# Altium PCB BeagleBone_Black_RevB4.PcbDoc (part 3 of 5)
Units mil, origin at the board's own origin, x right, y up, seen from the top; angles counter-clockwise.
Board outline 3401 x 2151 mil, 6 copper layers (TOP, LYR2_GND, LYR3, LYR4, LYR5_PWR, BOTTOM), stack 62 mil thick; 381 components, 310 nets, 1705 pads, 850 vias.
Unrouted connection lines stored in the file: 3.
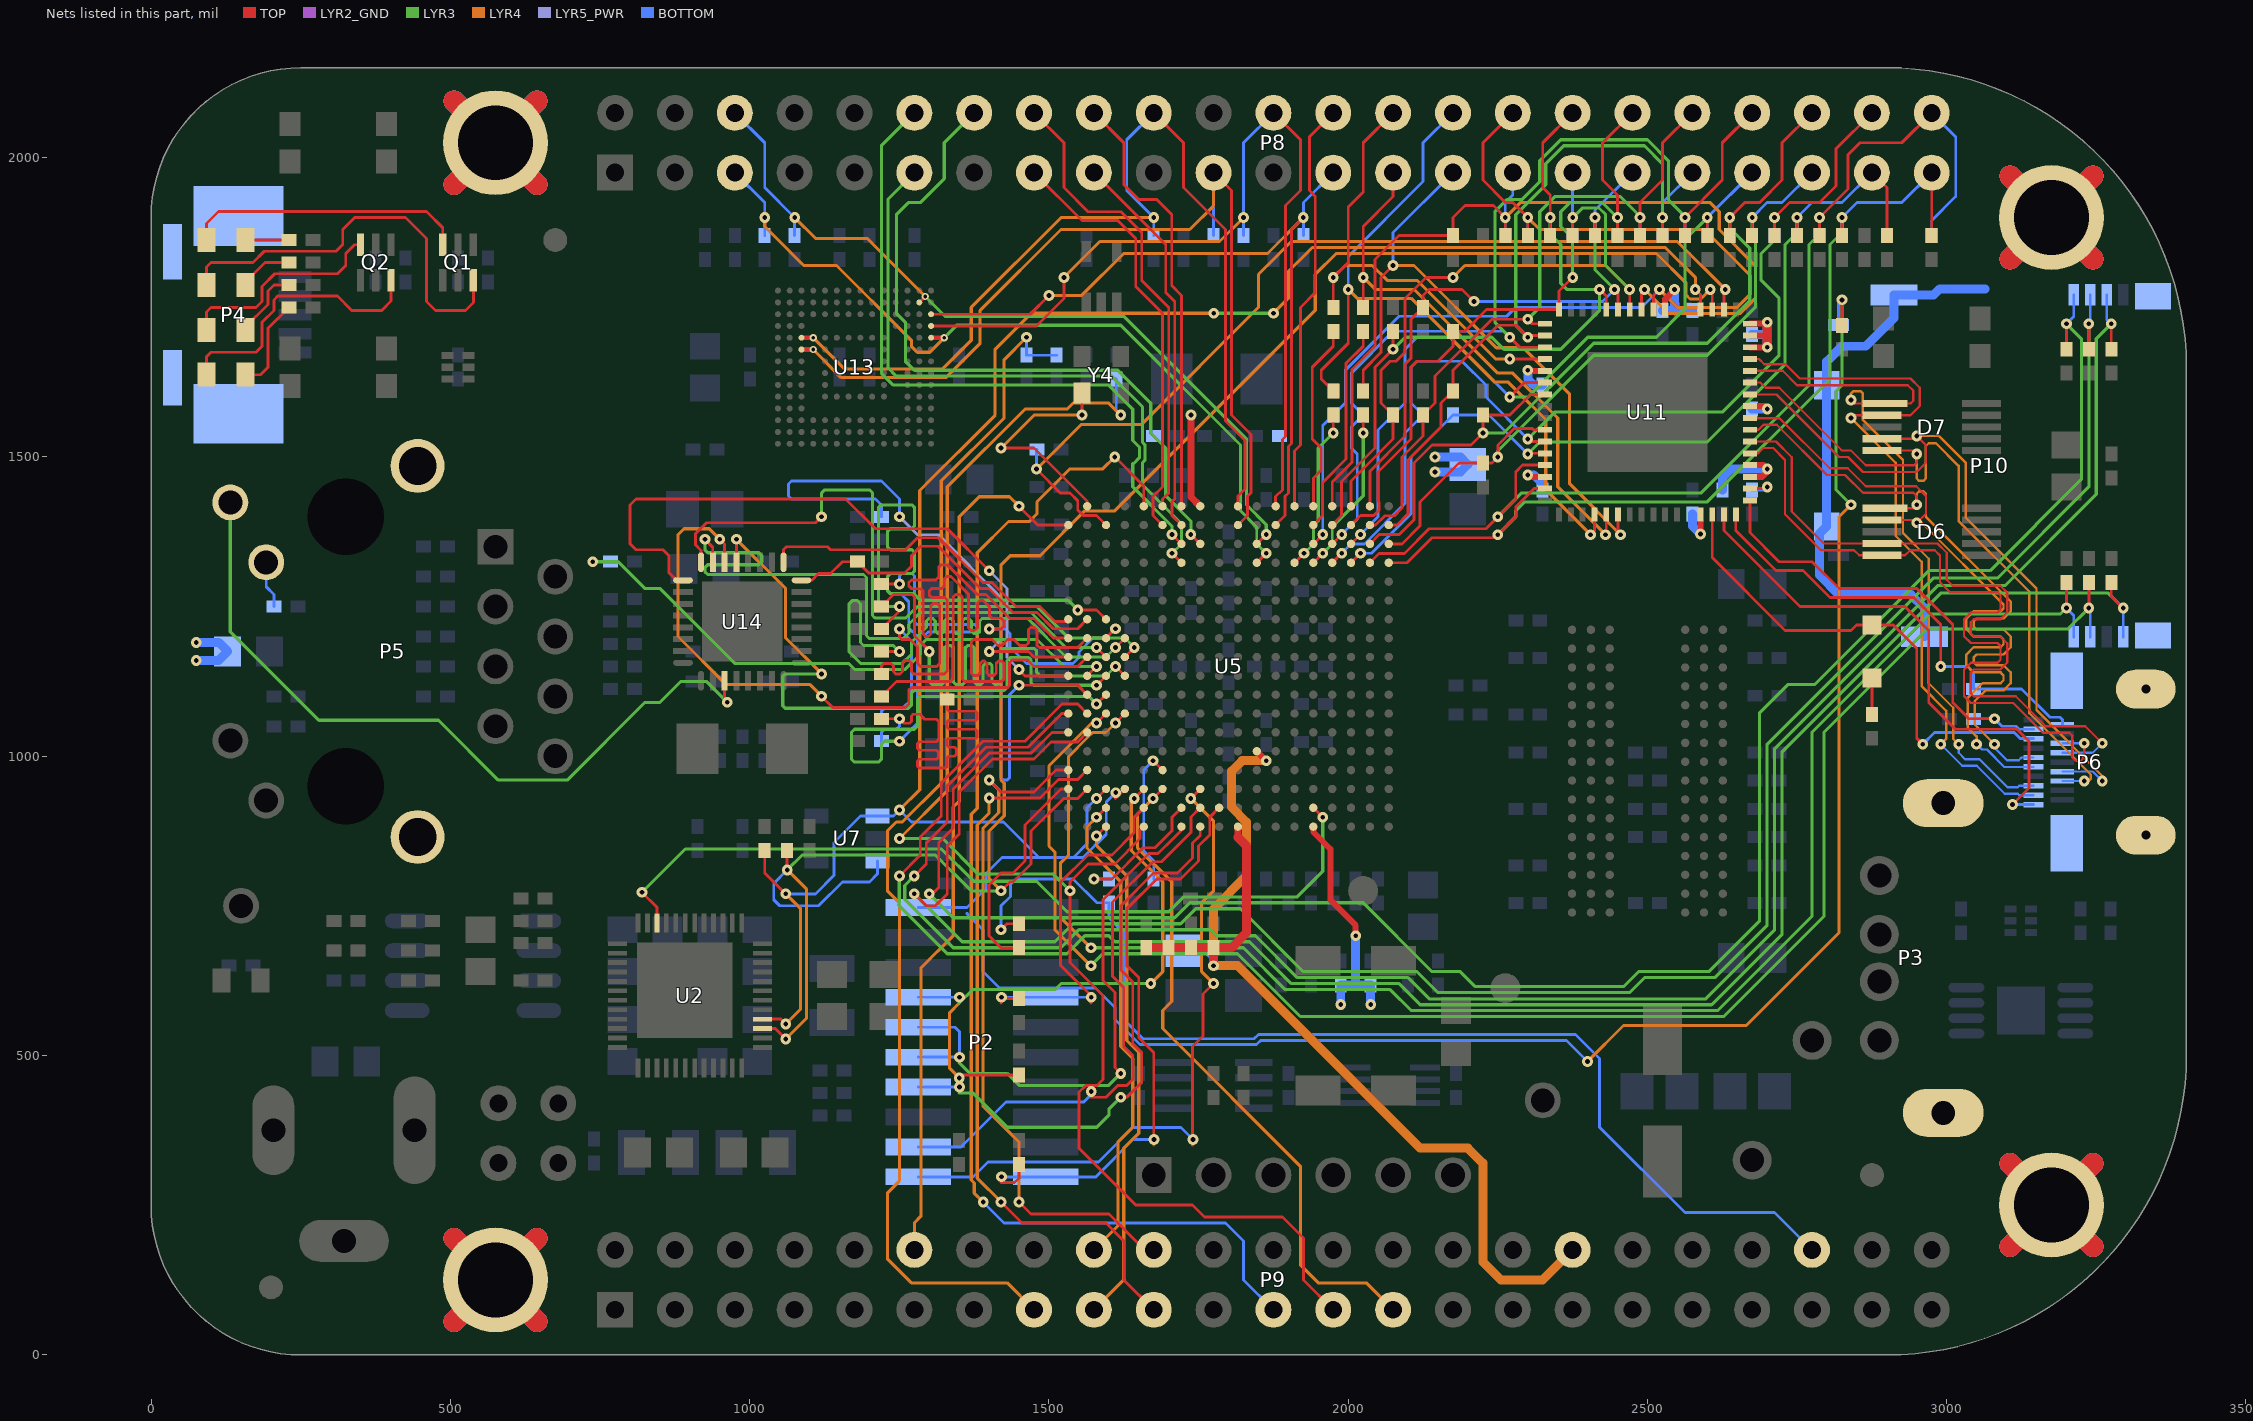
[diagram p7: the nets of this part, all layers, seen from the top]

## Via types
v1: diameter 18, hole 8, TOP to BOTTOM, tented both sides, 793 vias
v2: diameter 22, hole 12, TOP to BOTTOM, tented both sides, 30 vias
v3: diameter 12, hole 6, TOP to BOTTOM, tented both sides, 27 vias

## Nets (pads, with @x,y where several pads share a name; then routed paths per layer and width w, separated by ;. In a path a pad name is that pad's centre, name@x,y a point inside that pad or via, vN(x,y) a via of type N, cw(c..) or ccw(c..) an arc to the next point about the centre after c; other vN are vias at no path point) (continued)
GND_EARTH: MTG1.1 MTG2.1 MTG3.1 MTG4.1 P3.5 P3.6 P4.6 P4.7 P4.8 P4.9 P5.13 P5.14 P6.20 P6.21 P6.22 P6.23 P10.11 P10.12 P10.13 P10.14 P10.15 P10.16 R136.2 | length 7357.1
  TOP w35: 505.46,55.46 MTG1.1@575,125 ; 505.46,194.54 MTG1.1@575,125 ; 505.46,1955.46 MTG3.1@575,2025 ; 505.46,2094.54 MTG3.1@575,2025 ; 644.54,55.46 MTG1.1@575,125 ; 644.54,194.54 MTG1.1@575,125 ; 644.54,1955.46 MTG3.1@575,2025 ; 644.54,2094.54 MTG3.1@575,2025 ; 3105.46,180.46 MTG2.1@3175,250 ; 3105.46,319.54 MTG2.1@3175,250 ; 3105.46,1830.46 MTG4.1@3175,1900 ; 3105.46,1969.54 MTG4.1@3175,1900 ; 3244.54,180.46 MTG2.1@3175,250 ; 3244.54,319.54 MTG2.1@3175,250 ; 3244.54,1830.46 MTG4.1@3175,1900 ; 3244.54,1969.54 MTG4.1@3175,1900
  LYR2_GND w35: 505.46,55.46 MTG1.1@575,125 ; 505.46,194.54 MTG1.1@575,125 ; 505.46,1955.46 MTG3.1@575,2025 ; 505.46,2094.54 MTG3.1@575,2025 ; 644.54,55.46 MTG1.1@575,125 ; 644.54,194.54 MTG1.1@575,125 ; 644.54,1955.46 MTG3.1@575,2025 ; 644.54,2094.54 MTG3.1@575,2025 ; 3105.46,180.46 MTG2.1@3175,250 ; 3105.46,319.54 MTG2.1@3175,250 ; 3105.46,1830.46 MTG4.1@3175,1900 ; 3105.46,1969.54 MTG4.1@3175,1900 ; 3244.54,180.46 MTG2.1@3175,250 ; 3244.54,319.54 MTG2.1@3175,250 ; 3244.54,1830.46 MTG4.1@3175,1900 ; 3244.54,1969.54 MTG4.1@3175,1900
  LYR5_PWR w35: 505.46,55.46 MTG1.1@575,125 ; 505.46,194.54 MTG1.1@575,125 ; 505.46,1955.46 MTG3.1@575,2025 ; 505.46,2094.54 MTG3.1@575,2025 ; 644.54,55.46 MTG1.1@575,125 ; 644.54,194.54 MTG1.1@575,125 ; 644.54,1955.46 MTG3.1@575,2025 ; 644.54,2094.54 MTG3.1@575,2025 ; 3105.46,180.46 MTG2.1@3175,250 ; 3105.46,319.54 MTG2.1@3175,250 ; 3105.46,1830.46 MTG4.1@3175,1900 ; 3105.46,1969.54 MTG4.1@3175,1900 ; 3244.54,180.46 MTG2.1@3175,250 ; 3244.54,319.54 MTG2.1@3175,250 ; 3244.54,1830.46 MTG4.1@3175,1900 ; 3244.54,1969.54 MTG4.1@3175,1900
  BOTTOM w15: v1(75,1160) 112.5,1160 R136.2@127.5,1175 112.5,1190 v1(75,1190) ; P10.12@2963,1199.57 2963,1247 2940,1270 2820,1270 2787.5,1302.5 2787.5,1372.5 2798.63,1383.63 P10.16@2799.5,1383.63 P10.15@2799.5,1619.84 2799.5,1659.5 2825,1685 2864.66,1685 2911.82,1732.16 P10.11@2911.82,1770.43 2977.93,1770.43 2988.54,1781.04 3063.96,1781.04
  BOTTOM w35: 505.46,55.46 MTG1.1@575,125 ; 505.46,194.54 MTG1.1@575,125 ; 505.46,1955.46 MTG3.1@575,2025 ; 505.46,2094.54 MTG3.1@575,2025 ; 644.54,55.46 MTG1.1@575,125 ; 644.54,194.54 MTG1.1@575,125 ; 644.54,1955.46 MTG3.1@575,2025 ; 644.54,2094.54 MTG3.1@575,2025 ; 3105.46,180.46 MTG2.1@3175,250 ; 3105.46,319.54 MTG2.1@3175,250 ; 3105.46,1830.46 MTG4.1@3175,1900 ; 3105.46,1969.54 MTG4.1@3175,1900 ; 3244.54,180.46 MTG2.1@3175,250 ; 3244.54,319.54 MTG2.1@3175,250 ; 3244.54,1830.46 MTG4.1@3175,1900 ; 3244.54,1969.54 MTG4.1@3175,1900
GND_OSC0: C25.2 C26.2 U5.V11 | length 158.6
  TOP w12: v1(1737.5,1570) 1737.5,1432.98 U5.V11@1752.76,1417.72
GND_OSC1: C21.1 C22.1 U5.A5 | length 409.1
  TOP w10: U5.A5@1941.73,882.28 1941.73,873.27 1970,845 1970,760 2012.5,717.5 v1(2012.5,700)
  BOTTOM w15: v1(1987.5,585) C21.1@1987.5,617.5 2012.5,617.5 ; v1(2012.5,700) 2012.5,617.5 ; v1(2037.5,585) C22.1@2037.5,617.5 2012.5,617.5
GNDA_ADC: C31.2 C32.2 C33.2 C93.2 FB3.1 P9.34 U5.A9 U5.E8 | length 1840.7
  TOP w10: U5.E8@1847.24,1008.27 v1(1862.99,992.52)
  TOP w12: 1815.75,865 U5.A9@1815.75,882.28
  TOP w15: C32.2@1662.5,680 C31.2@1700,680 C33.2@1737.5,680 C93.2@1775,680 ; v1(1775,650) C93.2@1775,680 ; 1815.75,865 1815.75,864.25 1830,850 1830,705 1805,680 C93.2@1775,680
  LYR4 w15: v1(1862.99,992.52) 1822.52,992.52 1805,975 1805,915 1830,890 1830,800 1775,745 v1(1775,650) 1815,650 2120,345 2200,345 2225,320 2225,155 2255,125 2325,125 P9.34@2375,175
  BOTTOM w15: FB3.1@1725,674.9 1765.25,674.9 1775,665.15 v1(1775,650)
GPIO0_7: P9.42 R50.1 R51.1 | length 1889.3
  TOP w4.75: v1(1420,710) 1430,720 R50.1@1450,720
  BOTTOM w4.75: v1(1420,710) 1420,750 1435.74,765.74 1435.74,785.74 1445,795 1540,795 1580,755 R51.1@1600,755 1600,730 1625,705 1625,560 1657.25,527.75 1842.75,527.75 1850,535 2380,535 2420,495 2420,380 2562.5,237.5 2712.5,237.5 P9.42@2775,175
GPIO0_7SRC: R50.2 U5.C18 | length 377.1
  TOP w4.75: R50.2@1450,680 1420,680 1400,700 1400,785 1419.62,804.62 1439.62,804.62 1460,825 1460,885 1520.28,945.28 U5.C18@1532.28,945.28
GPIO0_26: P8.14 U5.T11 | length 1195.3
  TOP w4.75: v1(1737,1370.5) U5.T11@1752.76,1354.72
  LYR3 w5.25: P8.14@1375,2075 1325,2025 1325,1965 1285,1925 1265,1925 1245,1905 1245,1740 1260,1725 1260,1660 1275,1645 1615,1645 1670,1590 1670,1540 1695,1515 1695,1435 1737,1393 v1(1737,1370.5)
GPIO0_27: P8.17 U5.U12 | length 653
  TOP w4.75: P8.17@1575,1975 1695,1855 1695,1775 1710,1760 1710,1430 1705.63,1425.63 1705.63,1401.85 U5.U12@1721.26,1386.22
GPIO1_12: P8.12 U5.T12 | length 1171.6
  TOP w4.75: v1(1705.5,1370.5) U5.T12@1721.26,1354.72
  LYR3 w5.25: P8.12@1275,2075 1220,2020 1220,1640 1240,1620 1600,1620 1640,1580 1640,1527.61 1650.99,1516.62 1650.99,1498.38 1641.62,1489.01 1640,1489.01 1640,1450 1705.5,1384.5 v1(1705.5,1370.5)
GPIO1_13: P8.11 U5.R12 | length 1100.4
  TOP w4.75: v1(1705.5,1339) U5.R12@1721.26,1323.23
  LYR3 w4.75: v1(1705.5,1339) 1721.26,1354.76 1721.26,1388.74
  LYR3 w5.25: P8.11@1275,1975 1230.91,1930.91 1230.91,1649.09 1245,1635 1605,1635 1656.26,1583.74 1656.26,1524.44 1660.24,1520.46 1660.24,1494.54 1656.26,1490.56 1656.26,1453.74 1721.26,1388.74
GPIO1_14: P8.16 U5.V13 | length 786.9
  TOP w4.75: P8.16@1475,2075 1525,2025 1525,1950 1565.25,1909.75 1620.25,1909.75 1655,1875 1655,1795 1700,1750 1700,1440 1689.76,1429.76 U5.V13@1689.76,1417.72
GPIO1_15: P8.15 U5.U13 | length 725.9
  TOP w4.75: P8.15@1475,1975 1555,1895 1615,1895 1645,1865 1645,1785 1689.74,1740.26 1689.74,1450 1674.03,1434.29 1674.03,1401.95 U5.U13@1689.76,1386.22
GPIO1_16: P9.15 R160.2 R161.2 | length 2018.9
  LYR4 w5.25: v1(1462.5,1700) 1425,1662.5 1425,1565 1320,1460 1320,955 1255,890 1245,890 1230,875 1230,775 1250,755 1250,290 1230,270 1230,160 1270,120 1430,120 P9.15@1475,75
  BOTTOM w4.75: v1(1462.5,1700) R161.2@1462.5,1670 R160.2@1512.5,1670
GPIO1_17: P9.23 U5.V14 | length 2105.3
  TOP w4.75: v1(1610,1500) 1658.27,1451.73 U5.V14@1658.27,1417.72
  LYR4 w5.25: v1(1390,255) 1375,270 1375,286.91 1370,291.91 1370,903.09 1380,913.09 1380,1340 1432.26,1392.26 1467.26,1392.26 1480,1405 1480,1425 1535,1480 1590,1480 v1(1610,1500)
  BOTTOM w4.75: v1(1390,255) 1425,220 1795,220 1825,190 1825,125 P9.23@1875,75
GPIO1_28: P9.12 U5.U18 | length 1471.8
  TOP w4.75: v1(1450,1417.5) 1481.28,1386.22 U5.U18@1532.28,1386.22
  LYR4 w5.25: P9.12@1275,175 1275,220 1285.99,230.99 1285.99,645.99 1340,700 1340,915 1350,925 1350,1400 1383.49,1433.49 1434.01,1433.49 v1(1450,1417.5)
GPIO1_29: P8.26 U5.V6 | length 692.4
  TOP w4.75: U5.V6@1910.24,1417.72 1910.24,1510.24 1920,1520 1920,1750 1945,1775 1945,1935 1935,1945 1935,2035 P8.26@1975,2075
GPIO2_1: P8.18 U5.V12 | length 735.4
  TOP w4.75: P8.18@1575,2075 1625,2025 1625,1955 1650,1930 1680,1930 1705,1905 1705,1786.26 1721.26,1770 U5.V12@1721.26,1417.72
GPIO3_18: R51.2 U5.B12 | length 233.7
  TOP w4.75: v1(1575,795) 1605,795 1657.12,847.12 1677.12,847.12 1705.39,875.39 1705.39,897.91 U5.B12@1721.26,913.78
  BOTTOM w4.75: v1(1575,795) R51.2@1600,795
GPIO3_19: P9.27 U5.C13 | length 1123.9
  TOP w4.75: v1(1674,929.5) U5.C13@1689.76,945.28
  LYR4 w5.25: v1(1674,929.5) 1647.76,903.26 1647.76,847.24 1705,790 1705,590 1690,575 1690,545 1920,315 1920,150 1950,120 2030,120 P9.27@2075,75
GPIO3_20: R20.2 U5.D13 | length 233.2
  TOP w4.75: v1(1674,992.5) U5.D13@1689.73,976.77
  BOTTOM w4.75: v1(1674,992.5) 1658.26,976.76 1658.26,841.74 1675,825 R20.2@1675,795
GPIO3_21: P9.25 R167.2 U5.A14 | length 2603.7
  TOP w4.75: U5.A14@1658.27,882.28 1652.25,876.26 1652.25,862.25 1610,820 1565,820 1535,790 v1(1535,775) 1535,655 1590,600 1590,460 1580,450 1561.38,450 1550,438.62 1550,345 1645,250 1740,250 1760,230 1890,230 1925,195 1925,125 P9.25@1975,75
  LYR3 w5.25: v1(1250.25,862.5) 1322.5,862.5 1382,803 1507,803 v1(1535,775)
  LYR4 w5.25: v1(1250.25,862.5) 1330,942.25 1330,1450 1460,1580 1530,1580 1540,1590 1600,1590 v1(1620,1570)
  BOTTOM w4.75: R167.2@1612.5,1630 1612.5,1577.5 v1(1620,1570)
GRN_C: P5.10 R132.2 | length 79.4
  BOTTOM w4.75: P5.10@192,1324 192,1283 205,1270 R132.2@205,1250
GRNA: P5.9 U14.3 | length 1270
  TOP w4.75: U14.3@957.95,1126 957.95,1094.55 v1(962.5,1090)
  LYR3 w5.25: P5.9@132,1424 132,1208 280,1060 480,1060 580,960 695,960 825,1090 850,1090 885,1125 927.5,1125 v1(962.5,1090)
HDMI_1V8: C144.1 C145.1 C146.1 C147.1 C148.1 C149.1 C150.1 C151.1 FB5.1 U11.5 U11.14 U11.29 U11.35 U11.36 U11.41 U11.46 U11.47 U11.48 U11.55 | length 882.9
  TOP w10: v1(2300,1470) 2303.27,1466.73 U11.14@2328.74,1466.73 ; v1(2300,1645) 2301.1,1643.9 U11.5@2328.74,1643.9 ; U11.55@2529.53,1746.26 2529.53,1763.56 2545,1779.03 v1(2545,1780) ; v1(2588.58,1371.42) U11.29@2588.58,1403.74 ; U11.35@2671.26,1466.73 2691.73,1466.73 2700,1475 v1(2700,1480) 2693.58,1486.42 U11.36@2671.26,1486.42 ; U11.41@2671.26,1584.84 2695.16,1584.84 v1(2700,1580) ; U11.46@2671.26,1683.27 v1(2700,1683.27) ; U11.47@2671.26,1702.95 2700,1702.95 ; U11.48@2671.26,1722.64 2697.64,1722.64 v1(2700,1725)
  TOP w15: v1(2700,1683.27) 2700,1702.95 v1(2700,1725)
  BOTTOM w15: v1(2145,1475) 2187.6,1475 FB5.1@2200,1487.4 2187.4,1500 v1(2145,1500) ; v1(2300,1470) 2310,1470 2325,1455 C145.1@2325,1445 ; v1(2300,1645) 2300,1630 2310,1620 C144.1@2325,1620 ; C146.1@2525,1745 2545,1745 ; v1(2545,1780) 2545,1745 ; C147.1@2575,1405 2575,1385 v1(2588.58,1371.42) ; C148.1@2575,1745 2545,1745 ; C151.1@2625,1445 2625,1465 2640,1480 v1(2700,1480) ; C150.1@2675,1580 v1(2700,1580) ; C149.1@2675,1705 2700,1705 ; v1(2700,1683.27) 2700,1705 ; v1(2700,1725) 2700,1705
HDMI_CEC: D8.1 P6.15 U11.30 | length 845.7
  TOP w4.75: U11.30@2608.27,1403.74 2608.27,1331.73 2730,1210 2840,1210 2849.29,1219.29 D8.1@2875,1219.29 2910.71,1219.29 2950,1180 2950,1030 v1(2960,1020)
  BOTTOM w4.75: v1(2960,1020) 2979.37,1039.37 3112.89,1039.37 3122.89,1029.37 P6.15@3145.08,1029.37
HDMI_CEC_D: D8.2 R166.1 | length 60.7
  TOP w4.75: R166.1@2875,1070 D8.2@2875,1130.71
HDMI_DSCL: P6.17 R146.2 U11.33 | length 774.7
  TOP w4.75: U11.33@2671.26,1427.36 2671.26,1373.74 2720,1325 2775,1325 2820,1280 2950,1280 3010,1220 3010,1090 3037.5,1062.5 v1(3080,1062.5)
  BOTTOM w4.75: R146.2@3045,1062.5 v1(3080,1062.5) 3092.5,1050 3116.05,1050 3120.93,1045.12 P6.17@3145.08,1045.12
HDMI_DSDA: P6.18 R147.2 U11.32 | length 768.2
  TOP w4.75: U11.32@2647.64,1403.74 2647.64,1377.36 2715,1310 2760,1310 2805,1265 2945,1265 2990,1220 v1(2990,1150)
  BOTTOM w4.75: v1(2990,1150) 3035,1150 3045,1140 R147.2@3045,1112.5 3125.14,1112.5 3172.64,1065 3189.31,1065 3193.31,1061 P6.18@3193.31,1052.99
HDMI_HPD: P6.1 U11.31 | length 904.7
  TOP w4.75: U11.31@2627.95,1403.74 2627.95,1377.05 2755,1250 2930,1250 2970,1210 2970,1090 3015,1045 3117.5,1045 3137.5,1025 3137.5,946.63 v1(3110,919.13)
  BOTTOM w4.75: v1(3110,919.13) P6.1@3145.08,919.13
HDMI_INT: R158.2 U5.U16 U11.50 | length 1605.4
  TOP w4.75: v1(1479.16,1479.72) 1518.88,1440 1535,1440 1548.15,1426.85 1548.15,1411.25 1557.31,1402.09 1579.41,1402.09 U5.U16@1595.28,1386.22 ; U11.50@2627.95,1746.26 2627.95,1777.95 v1(2630,1780)
  LYR4 w5.25: v1(1479.16,1479.72) 1553.45,1554.01 1654.01,1554.01 1850,1750 1850,1805 1905,1860 2550,1860 v1(2630,1780)
  BOTTOM w4.75: v1(1479.16,1479.72) 1479.16,1511.66 R158.2@1480,1512.5
HDMI_SWING: R148.1 U11.34 | length 57
  TOP w4.75: U11.34@2671.26,1447.05 2697.05,1447.05 v1(2700,1450)
  BOTTOM w4.75: R148.1@2675,1445 2695,1445 v1(2700,1450)
HDMI_TX0+: D6.2 P6.9 U11.40 | length 1261.6
  TOP w3.75: U11.40@2671.26,1565.16 2671.66,1564.76 2720.8,1564.76 2804.56,1481 2834.56,1481 2864.56,1451 2949,1451 2965.24,1434.76 2965.24,1405.24 v1(2950,1390) 2945.31,1394.69 D6.2@2892,1394.69
  LYR4 w4: v1(2950,1390) 2958.31,1390 3095,1253.31 3095,1246.69 3090.31,1242 3045.02,1242 3033,1229.98 3033,1212.02 3045.02,1200 3090,1200 3095,1195 3095,1187 3090,1182 3045.02,1182 3033,1169.98 3033,1152.02 3045.02,1140 3090,1140 3095,1135 3095,1127 3090,1122 3060.02,1122 3035,1096.98 3035,1048.02 3050,1033.02 v1(3050,1020)
  BOTTOM w3.75: v1(3050,1020) 3059,1011 3067.44,1011 3096.31,982.13 P6.9@3145.08,982.13
HDMI_TX0-: D6.1 P6.11 U11.39 | length 1262.5
  TOP w3.75: U11.39@2671.26,1545.47 2685.47,1545.47 2693.76,1553.76 2716.24,1553.76 2800,1470 2830,1470 2860,1440 2944.44,1440 2950,1434.44 v1(2950,1420) 2944.37,1414.37 D6.1@2897,1414.37
  LYR4 w4: v1(2950,1420) 2950,1438.5 2954.5,1443 2960.86,1443 2965.36,1438.5 2965.36,1399.93 3107,1258.29 3107,1241.71 3095.29,1230 3050,1230 3045,1225 3045,1217 3050,1212 3094.98,1212 3107,1199.98 3107,1182.02 3094.98,1170 3050,1170 3045,1165 3045,1157 3050,1152 3094.98,1152 3107,1139.98 3107,1122.02 3094.98,1110 3065,1110 3047,1092 3047,1053 v1(3080,1020)
  BOTTOM w3.75: v1(3080,1020) 3079.65,1019.65 3079.65,1014.35 3100.87,993.13 3120.26,993.13 3125,997.87 P6.11@3145.08,997.87
HDMI_TX1+: D7.5 P6.6 U11.43 | length 1262.2
  TOP w3.75: U11.43@2671.26,1624.21 2688.85,1624.21 2697.53,1615.53 2720.03,1615.53 2824.56,1511 2839.56,1511 2864.56,1486 2945.44,1486 2950,1490.56 v1(2950,1505) 2944.37,1510.63 D7.5@2892,1510.63
  LYR4 w4: v1(2950,1505) 2950,1464 2954,1460 2961,1460 2965,1464 2965,1518 2970,1523 2982,1523 3020,1485 3020,1393.02 3138,1275.02 3138,1072 3241,969 3241,962.5 3237,958.5 v1(3230,958.5)
  BOTTOM w3.75: P6.6@3193.31,958.5 v1(3230,958.5)
HDMI_TX1-: D7.4 P6.8 U11.42 | length 1264.7
  TOP w3.75: U11.42@2671.26,1604.53 2715.47,1604.53 2820,1500 2835,1500 2860,1475 2950,1475 2965.24,1490.24 2965.24,1519.76 v1(2950,1535) 2945.31,1530.31 D7.4@2892,1530.31
  LYR4 w4: v1(2950,1535) 2986.98,1535 3032,1489.98 3032,1398 3150,1280 3150,1076.98 3260,966.98 v1(3260,958.5)
  BOTTOM w3.75: P6.8@3193.31,974.25 3244.25,974.25 v1(3260,958.5)
HDMI_TX2+: D7.2 P6.3 U11.45 | length 1262.4
  TOP w3.75: U11.45@2671.26,1663.58 2686.32,1663.58 2695,1654.9 2730.66,1654.9 2754.56,1631 2939.56,1631 2955,1615.56 2955,1585 2939.69,1569.69 D7.2@2892,1569.69 2844.69,1569.69 v1(2840,1565)
  LYR4 w4: v1(2840,1565) 2915,1490 2915,1368.02 2958,1325.02 2958,1117.02 2999,1076.02 2999,1029 v1(2990,1020)
  BOTTOM w3.75: v1(2990,1020) 3026,984 3050.44,984 3097.19,937.25 3118.82,937.25 3121.19,934.88 P6.3@3145.08,934.88
HDMI_TX2-: D7.1 P6.5 U11.44 | length 1262.4
  TOP w3.75: U11.44@2671.26,1643.9 2726.1,1643.9 2750,1620 2935,1620 2944,1611 2944,1594 2939.37,1589.37 D7.1@2897,1589.37 2845.63,1589.37 v1(2840,1595)
  LYR4 w4: v1(2840,1595) 2840,1606 2844,1610 2856,1610 2860,1606 2860,1561.98 2927,1494.98 2927,1373 2970,1330 2970,1122 3011,1081 3011,1029 v1(3020,1020)
  BOTTOM w3.75: v1(3020,1020) 3020,1005.56 3030.56,995 3055,995 3101.75,948.25 3118.82,948.25 3121.2,950.63 P6.5@3145.08,950.63
HDMI_TXC+: D6.4 P6.12 U11.38 | length 1264
  TOP w3.75: U11.38@2671.26,1525.79 2714.77,1525.79 2741,1499.56 2741,1409 2794.69,1355.31 D6.4@2892,1355.31 2984.56,1355.31 3000,1339.87 3000,1295 3010,1285 3089.56,1285 3101,1273.56 3101,1240.44 3089.56,1229 3045,1229 3040,1224 3040,1205 3045,1200 3089.56,1200 3101,1188.56 3101,1156.44 3089.56,1145 3045,1145 3040,1140 3040,1105 3045,1100 3115.56,1100 3165.56,1050 3231.5,1050 v1(3260,1021.5)
  BOTTOM w3.75: P6.12@3193.31,1005.75 3244.25,1005.75 v1(3260,1021.5)
HDMI_TXC-: D6.5 P6.14 U11.37 | length 1262.2
  TOP w3.75: U11.37@2671.26,1506.1 2685,1506.1 2693.69,1514.79 2710.21,1514.79 2730,1495 2730,1404.44 2790.13,1344.31 2845.03,1344.31 2853.71,1335.63 D6.5@2892,1335.63 2930.28,1335.63 2938.96,1344.31 2980,1344.31 2989,1335.31 2989,1290.44 3005.44,1274 3085,1274 3090,1269 3090,1245 3085,1240 3040.44,1240 3029,1228.56 3029,1200.44 3040.44,1189 3085,1189 3090,1184 3090,1161 3085,1156 3040.44,1156 3029,1144.56 3029,1100.44 3040.44,1089 3111,1089 3161,1039 3205,1039 3210,1034 3210,998 3215,993 3225,993 3230,998 v1(3230,1021.5)
  BOTTOM w3.75: P6.14@3193.31,1021.5 v1(3230,1021.5)
HDMICLK_DISN: U5.V17 Y4.1 | length 383.8
  TOP w4.75: v1(1420,1515) 1475,1515 1563.78,1426.22 U5.V17@1563.78,1417.72 ; v1(1555,1570) Y4.1@1555,1607
  LYR4 w5.25: v1(1420,1515) 1475,1570 v1(1555,1570)
I2C0_SCL: R3.2 U2.28 U5.C16 U7.1 U11.52 | length 3289.3
  TOP w4.75: U2.28@1021.06,560.63 1051.87,560.63 v1(1060,552.5) ; R3.2@1025,842.5 1025,805 v1(1060,770) ; v1(1579.5,929.5) U5.C16@1595.28,945.28 ; v1(2580,1780) 2588.58,1771.42 U11.52@2588.58,1746.26
  LYR3 w5.25: v1(1775.25,1740.25) v1(1875,1740.25)
  LYR4 w5.25: v1(1060,552.5) 1085,577.5 1085,745 v1(1060,770) ; v1(1250,910) 1284.01,944.01 1284.01,1444.01 1410,1570 1410,1680 1470.25,1740.25 v1(1775.25,1740.25) ; v1(1875,1740.25) 1900,1765.25 1900,1810 1940,1850 2530,1850 2580,1800 v1(2580,1780)
  BOTTOM w4.75: v1(1060,770) 1110,770 1140.95,800.95 1140.95,855.95 1185,900 U7.1@1213.5,900 1240,900 v1(1250,910) 1270,890 1423.95,890 1483.19,830.76 1540.76,830.76 1563.76,853.76 1563.76,913.76 v1(1579.5,929.5)
I2C0_SDA: R4.2 U2.27 U5.C17 U7.3 U11.51 | length 3395.3
  TOP w4.75: U2.27@1021.06,544.88 1042.62,544.88 v1(1060,527.5) ; v1(1062.5,810) R4.2@1062.5,842.5 ; v1(1420,775) 1435,790 1440,790 1470,820 1470,875 1524.55,929.55 1548.05,929.55 U5.C17@1563.78,945.28 ; v1(2605,1780) 2608.27,1776.73 U11.51@2608.27,1746.26
  LYR3 w5.25: v1(1062.5,810) 1087.5,835 1310,835 1370,775 v1(1420,775)
  LYR4 w5.25: v1(1060,527.5) 1095,562.5 1095,777.5 v1(1062.5,810) ; v1(1420,775) 1400,795 1400,875 1425.24,900.24 1425.24,954.76 1420,960 1420,1320 1435,1335 1485,1335 1560,1410 1610,1410 1945,1745 1945,1805 1980,1840 2515,1840 2564.01,1790.99 2564.01,1770.99 2570.99,1764.01 2589.01,1764.01 v1(2605,1780)
  BOTTOM w4.75: v1(1062.5,810) 1040,787.5 1040,760 1050,750 1115,750 1155,790 1200,790 1213.5,803.5 U7.3@1213.5,825
I2C1_SCL: P9.17 U5.A16 | length 874.1
  TOP w4.75: v1(1579.5,866.5) U5.A16@1595.28,882.28
  LYR4 w5.25: P9.17@1575,75 1625,125 1625,345 1650,370 1650,505 1630,525 1630,800 1579.5,850.5 v1(1579.5,866.5)
I2C1_SDA: P9.18 U5.B16 | length 810.5
  TOP w4.75: v1(1579.5,898) U5.B16@1595.28,913.78
  LYR4 w5.25: P9.18@1575,175 1615,215 1615,355 1640,380 1640,495 1620,515 1620,790 1563.51,846.49 1563.51,882.01 v1(1579.5,898)
I2C2_SCL: P9.19 U5.D17 | length 1250.6
  TOP w4.75: v1(1400,930) 1485,930 1516.01,961.01 1548.02,961.01 U5.D17@1563.78,976.77 ; v1(1420,255) 1455,220 1595,220 1625,190 1625,125 P9.19@1675,75
  LYR4 w5.25: v1(1400,930) 1400,905 1380,885 1380,295 v1(1420,255)
I2C2_SDA: P9.20 U5.D18 | length 1161.2
  TOP w4.75: v1(1400,960) 1420,940 1475,940 1511.77,976.77 U5.D18@1532.28,976.77 ; v1(1450,255) 1470,235 1600,235 1660,175 P9.20@1675,175
  LYR4 w5.25: v1(1400,960) 1415.99,944.01 1415.99,905.99 1390,880 1390,415 1450,355 v1(1450,255)
JTAG_EMU0: P2.13 R23.2 U5.C14 | length 1006.7
  TOP w4.75: v1(1350,462.5) 1355,467.5 R23.2@1450,467.5 ; v1(1642.5,929.5) U5.C14@1658.27,945.28
  LYR3 w5.25: 1350,587.5 1372.5,610 1510,610 1520,620 v1(1670,620)
  LYR4 w5.25: v1(1350,462.5) 1334.01,478.49 1334.01,571.51 1350,587.5 ; v1(1642.5,929.5) 1637.51,924.51 1637.51,842.49 1690,790 1690,640 v1(1670,620)
  BOTTOM w4.75: P2.13@1281.5,597.1 v1(1350.5,597.1)
JTAG_EMU1: P2.14 R24.2 U5.B14 | length 611.4
  TOP w4.75: 1420,587.5 1427.5,595 R24.2@1450,595 ; 1570,587.5 1570,600 1519.26,650.74 1519.26,789.26 1565,835 1605,835 1642.5,872.5 1642.5,898.01 U5.B14@1658.27,913.78
  BOTTOM w4.75: v1(1420.5,597.1) P2.14@1494.5,597.1 v1(1570.5,597.1)
JTAG_TCK: P2.9 P2.11 U5.A12 | length 965.3
  TOP w4.75: v1(1620,470) 1610,480 1610,605 1590,625 1590,760 1667.37,837.37 1682.26,837.37 1708.65,863.76 1708.76,863.76 1721.26,876.26 U5.A12@1721.26,882.28
  LYR3 w5.25: 1350,487.5 1367.5,470 1430,470 1450,450 1600,450 v1(1620,470)
  BOTTOM w4.75: P2.9@1281.5,497.1 v1(1350.5,497.1) 1350.5,539.6 1343,547.1 P2.11@1281.5,547.1
JTAG_TDI: P2.3 U5.B11 | length 949.4
  TOP w4.75: 1570,430 1595,430 1615,450 1630,450 1640,460 1640,500 1625,515 1625,613.75 1606.38,632.37 1606.38,756.38 1673.62,823.62 1687.96,823.62 1737.13,872.79 1737.13,898.15 U5.B11@1752.76,913.78
  BOTTOM w4.75: P2.3@1281.5,347.1 1353,347.1 1428,422.1 1558,422.1 1570.5,434.6 v1(1570.5,439.6)
JTAG_TDO: P2.7 U5.A11 | length 954.8
  TOP w4.75: v1(1620,430) 1630,430 1655,455 1655,505 1640,520 1640,622.5 1620.13,642.37 1620.13,750.13 1674.75,804.75 1674.99,805 1715,805 1740,830 1740,855 1752.76,867.76 U5.A11@1752.76,882.28
  LYR3 w5.25: 1350,437.5 1372.5,437.5 1430,380 1580,380 1600,400 1600,410 v1(1620,430)
  BOTTOM w4.75: P2.7@1281.5,447.1 v1(1350.5,447.1)
JTAG_TMS: P2.1 U5.C11 | length 1150.1